# Altium PCB Main_Board.PcbDoc (part 19 of 19)
Units mil, origin at the board's own origin, x right, y up, seen from the top; angles counter-clockwise.
Board outline 5306 x 6610 mil, 12 copper layers ((L1) Top, (L2) Inner 1, (L3) Inner 2, (L4) Inner 3, (L5) Inner 4, (L6) Inner 5, (L7) Inner 6, (L8) Inner 7, (L9) Inner 8, (L10) Inner 9, (L11) Inner 10, (L12) Bottom), stack 94.81 mil thick; 347 components, 571 nets, 2611 pads, 4053 vias.
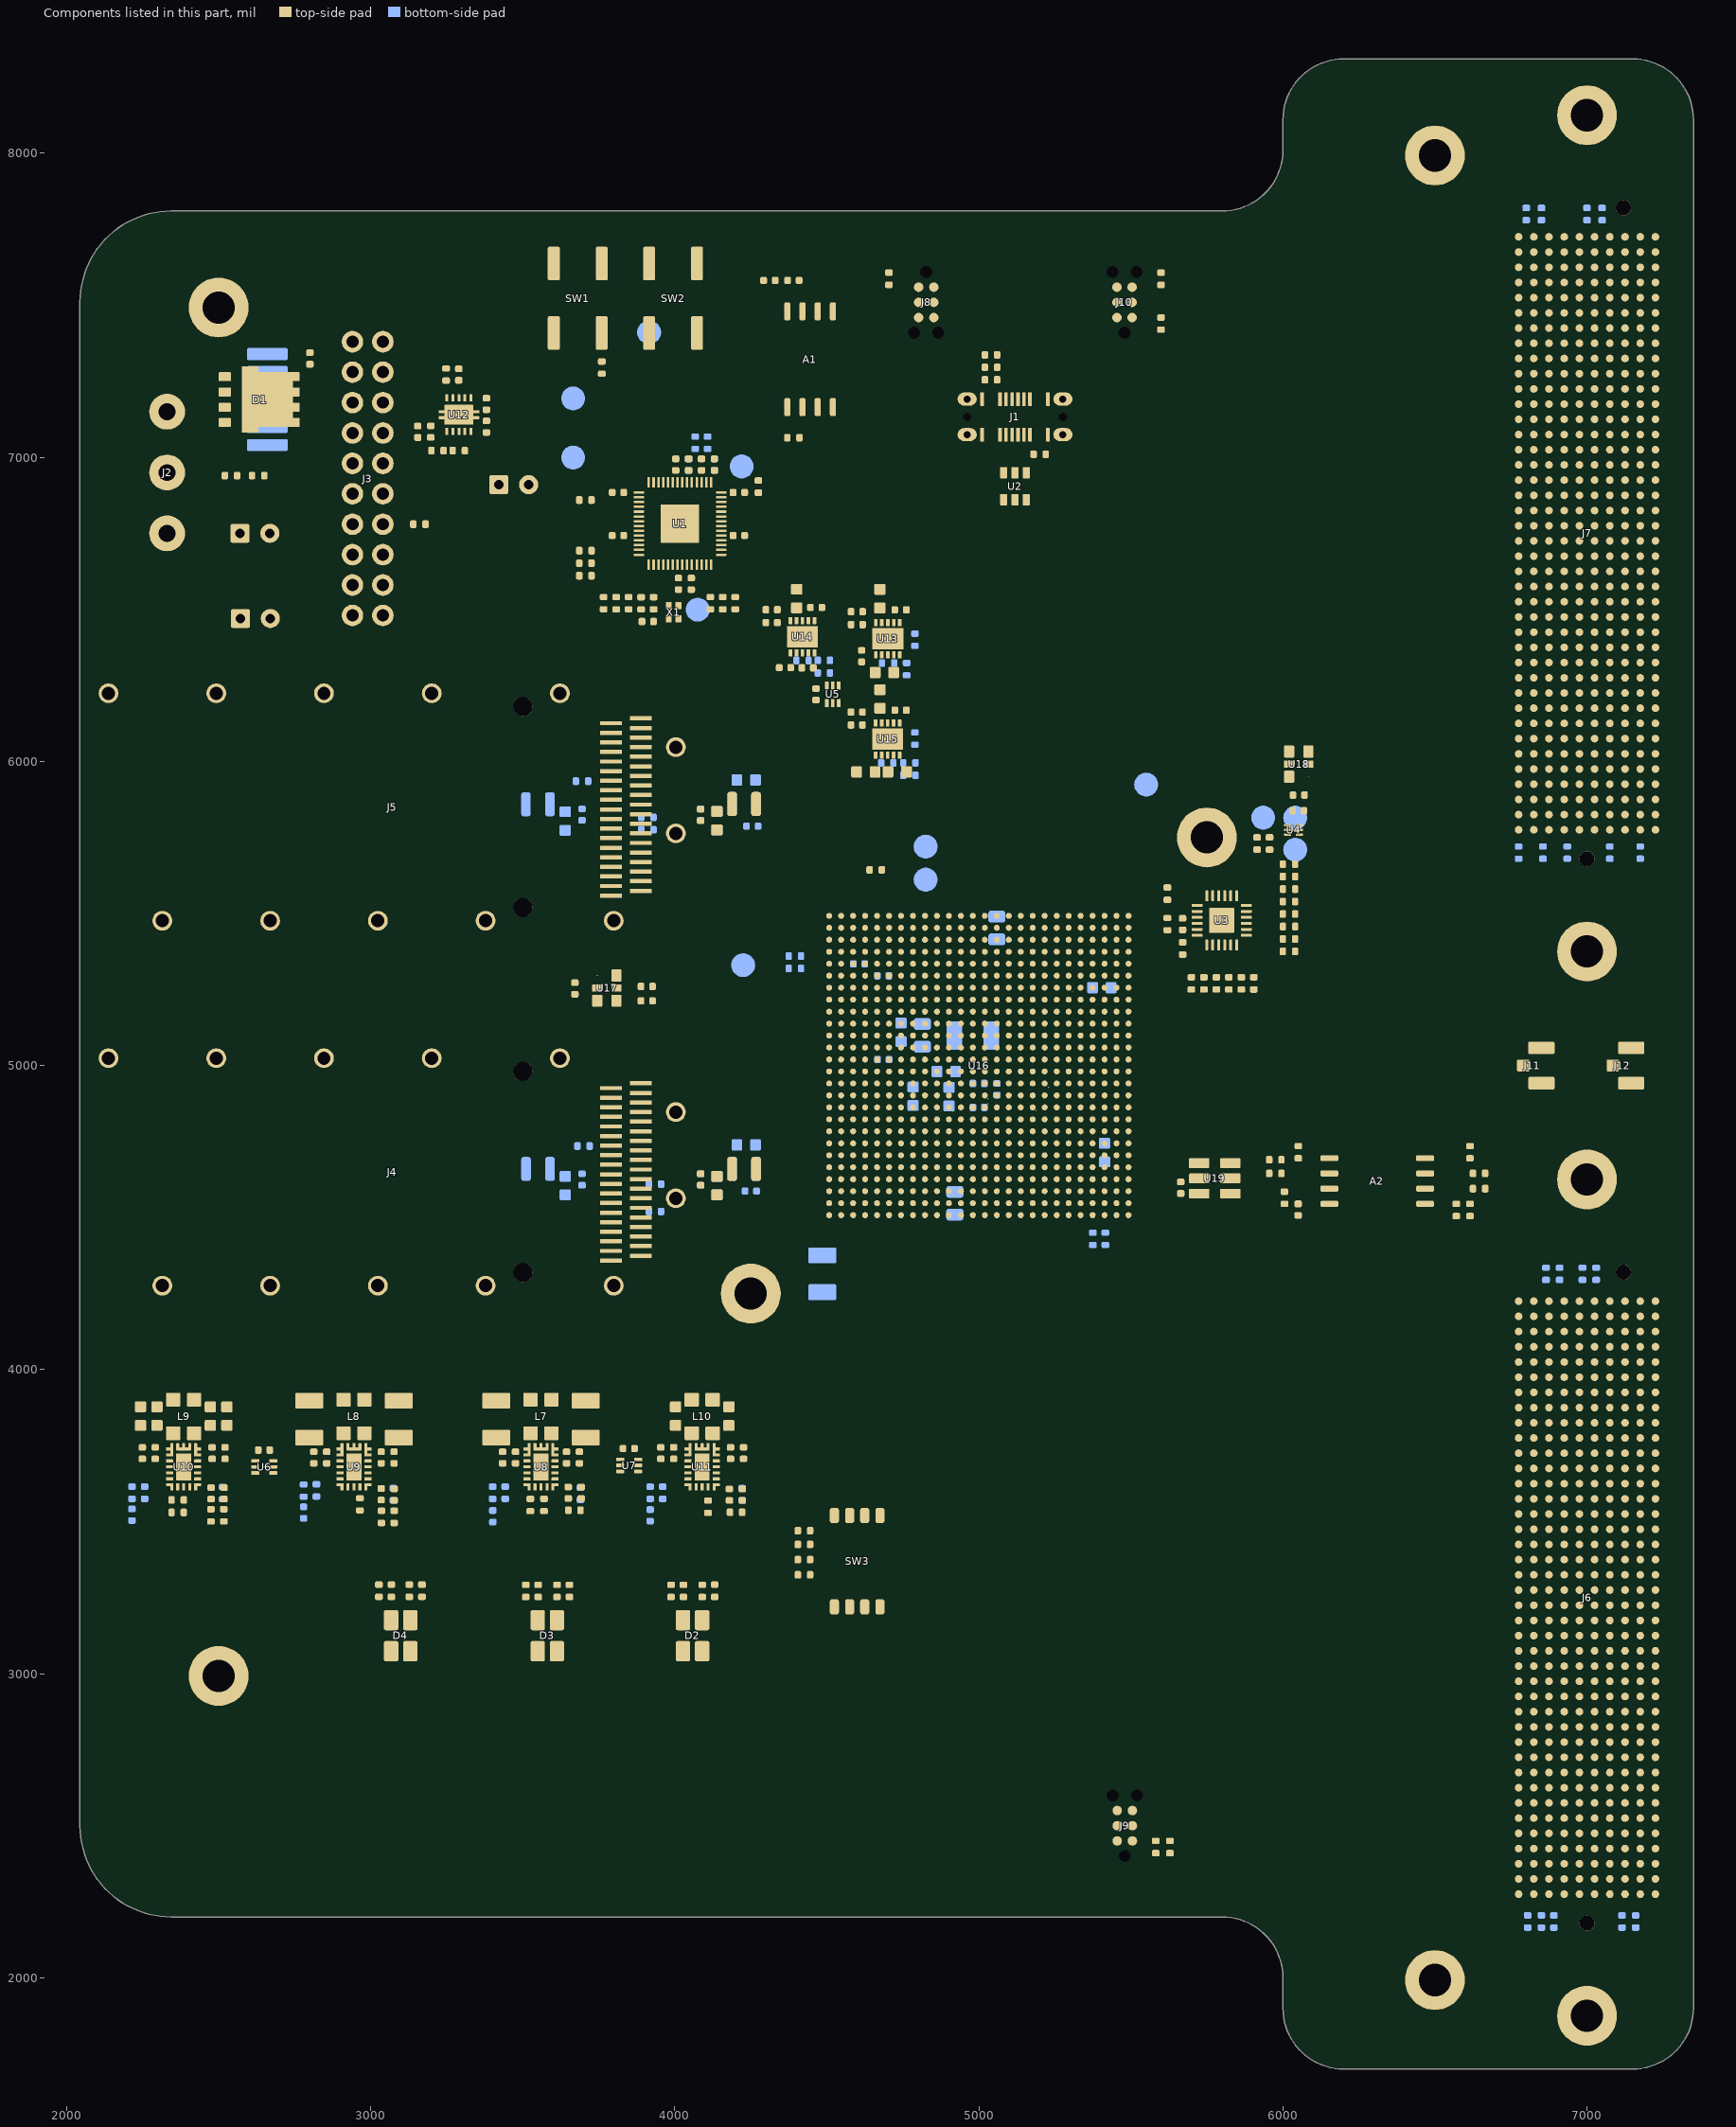
[diagram p29: the components of this part, seen from the top]

## Keep-outs
(L1) Top:
  circle w1: c7000,4625 r125
  circle w1: c4250,4250 r125
  circle w1: c6500,7992.5 r125
  circle w1: c2500,7492.5 r125
  circle w1: c2500,2992.5 r125
  circle w1: c6500,1992.5 r125
  circle w1: c5750,5750 r125
  circle w1: c7000,1885 r125
  circle w1: c7000,8125 r125
  circle w1: c7000,5375 r125
  region: 2505,3855 2505,3720 ccw(c2510,3720) 2510,3715 2550,3715 ccw(c2550,3720) 2555,3720 2555,3855 ccw(c2551.11,3855) 2551.11,3858.89 2508.89,3858.89 ccw(c2508.89,3855)
  region: 2265,3855 2265,3720 cw(c2260,3720) 2260,3715 2220,3715 cw(c2220,3720) 2215,3720 2215,3855 cw(c2218.89,3855) 2218.89,3858.89 2261.11,3858.89 cw(c2261.11,3855)
  region: 4226.73,3839.13 4209.47,3847.76 ccw(c4200,3828.83) 4200,3850 ccw(c4200,3845) 4195,3845 4195,3715 ccw(c4203.62,3715) 4203.62,3706.38 4246.38,3706.38 ccw(c4246.38,3715) 4255,3715 4255,3733.22 ccw(c4122.57,3733.22) 4250.81,3766.25 4234.61,3829.18 ccw(c4220.04,3825.75)
  region: 3953.27,3839.13 3970.53,3847.76 cw(c3980,3828.83) 3980,3850 cw(c3980,3845) 3985,3845 3985,3715 cw(c3976.38,3715) 3976.38,3706.38 3933.62,3706.38 cw(c3933.62,3715) 3925,3715 3925,3733.22 cw(c4057.43,3733.22) 3929.19,3766.25 3945.39,3829.18 cw(c3959.96,3825.75)
  region: 4547.24,5452.76 4547.24,4547.24 5452.76,4547.24 5452.76,5452.76 4586.61,5452.76 4586.61,5413.39 5413.39,5413.39 5413.39,4586.61 4586.61,4586.61 4586.61,5452.76
(L2) Inner 1:
  region: 2110,2600 2110,2520 ccw(c2130,2520) 2130,2500 2310,2500 ccw(c2310,2520) 2330,2520 2330,2600 ccw(c2310,2600) 2310,2620 2130,2620 ccw(c2130,2600)
  region: 3754.72,4900.98 3825.59,4900.98 3825.59,4887.2 3754.72,4887.2
  region: 3754.72,4869.49 3825.59,4869.49 3825.59,4855.71 3754.72,4855.71
  region: 3853.15,4916.73 3924.02,4916.73 3924.02,4902.95 3853.15,4902.95
  region: 3853.15,4885.24 3924.02,4885.24 3924.02,4871.46 3853.15,4871.46
  region: 3754.72,4806.5 3825.59,4806.5 3825.59,4792.72 3754.72,4792.72
  region: 3853.15,4822.24 3924.02,4822.24 3924.02,4808.46 3853.15,4808.46
  region: 3853.15,4790.75 3924.02,4790.75 3924.02,4776.97 3853.15,4776.97
  region: 3754.72,4775 3825.59,4775 3825.59,4761.22 3754.72,4761.22
  region: 3853.15,4538.78 3924.02,4538.78 3924.02,4525 3853.15,4525
  region: 3853.15,4507.28 3924.02,4507.28 3924.02,4493.5 3853.15,4493.5
  region: 3754.72,4523.03 3825.59,4523.03 3825.59,4509.25 3754.72,4509.25
  region: 3754.72,4491.54 3825.59,4491.54 3825.59,4477.76 3754.72,4477.76
  region: 3754.72,4428.54 3825.59,4428.54 3825.59,4414.76 3754.72,4414.76
  region: 3754.72,4397.05 3825.59,4397.05 3825.59,4383.27 3754.72,4383.27
  region: 3853.15,4412.8 3924.02,4412.8 3924.02,4399.02 3853.15,4399.02
  region: 3853.15,4444.29 3924.02,4444.29 3924.02,4430.51 3853.15,4430.51
  region: 3754.72,5597.05 3825.59,5597.05 3825.59,5583.27 3754.72,5583.27
  region: 3754.72,5628.54 3825.59,5628.54 3825.59,5614.76 3754.72,5614.76
  region: 3853.15,5644.29 3924.02,5644.29 3924.02,5630.51 3853.15,5630.51
  region: 3853.15,5612.8 3924.02,5612.8 3924.02,5599.02 3853.15,5599.02
  region: 3754.72,5691.54 3825.59,5691.54 3825.59,5677.76 3754.72,5677.76
  region: 3754.72,5723.03 3825.59,5723.03 3825.59,5709.25 3754.72,5709.25
  region: 3853.15,5738.78 3924.02,5738.78 3924.02,5725 3853.15,5725
  region: 3853.15,5707.28 3924.02,5707.28 3924.02,5693.5 3853.15,5693.5
  region: 3754.72,5975 3825.59,5975 3825.59,5961.22 3754.72,5961.22
  region: 3754.72,6006.5 3825.59,6006.5 3825.59,5992.72 3754.72,5992.72
  region: 3853.15,5990.75 3924.02,5990.75 3924.02,5976.97 3853.15,5976.97
  region: 3853.15,6022.24 3924.02,6022.24 3924.02,6008.46 3853.15,6008.46
  region: 3754.72,6069.49 3825.59,6069.49 3825.59,6055.71 3754.72,6055.71
  region: 3754.72,6100.98 3825.59,6100.98 3825.59,6087.2 3754.72,6087.2
  region: 3853.15,6116.73 3924.02,6116.73 3924.02,6102.95 3853.15,6102.95
  region: 3853.15,6085.24 3924.02,6085.24 3924.02,6071.46 3853.15,6071.46
(L3) Inner 2:
  region: 2110,2600 2110,2520 ccw(c2130,2520) 2130,2500 2310,2500 ccw(c2310,2520) 2330,2520 2330,2600 ccw(c2310,2600) 2310,2620 2130,2620 ccw(c2130,2600)
  region: 3853.15,6085.24 3924.02,6085.24 3924.02,6071.46 3853.15,6071.46
  region: 3853.15,6116.73 3924.02,6116.73 3924.02,6102.95 3853.15,6102.95
  region: 3754.72,6100.98 3825.59,6100.98 3825.59,6087.2 3754.72,6087.2
  region: 3754.72,5975 3825.59,5975 3825.59,5961.22 3754.72,5961.22
  region: 3853.15,5612.8 3924.02,5612.8 3924.02,5599.02 3853.15,5599.02
  region: 3853.15,5644.29 3924.02,5644.29 3924.02,5630.51 3853.15,5630.51
  region: 3754.72,5628.54 3825.59,5628.54 3825.59,5614.76 3754.72,5614.76
  region: 3754.72,5597.05 3825.59,5597.05 3825.59,5583.27 3754.72,5583.27
  region: 3754.72,6069.49 3825.59,6069.49 3825.59,6055.71 3754.72,6055.71
  region: 3853.15,6022.24 3924.02,6022.24 3924.02,6008.46 3853.15,6008.46
  region: 3853.15,5990.75 3924.02,5990.75 3924.02,5976.97 3853.15,5976.97
  region: 3754.72,6006.5 3825.59,6006.5 3825.59,5992.72 3754.72,5992.72
  region: 3853.15,5707.28 3924.02,5707.28 3924.02,5693.5 3853.15,5693.5
  region: 3853.15,5738.78 3924.02,5738.78 3924.02,5725 3853.15,5725
  region: 3754.72,5723.03 3825.59,5723.03 3825.59,5709.25 3754.72,5709.25
  region: 3754.72,5691.54 3825.59,5691.54 3825.59,5677.76 3754.72,5677.76
  region: 3853.15,4444.29 3924.02,4444.29 3924.02,4430.51 3853.15,4430.51
  region: 3853.15,4412.8 3924.02,4412.8 3924.02,4399.02 3853.15,4399.02
  region: 3754.72,4428.54 3825.59,4428.54 3825.59,4414.76 3754.72,4414.76
  region: 3754.72,4491.54 3825.59,4491.54 3825.59,4477.76 3754.72,4477.76
  region: 3754.72,4523.03 3825.59,4523.03 3825.59,4509.25 3754.72,4509.25
  region: 3853.15,4507.28 3924.02,4507.28 3924.02,4493.5 3853.15,4493.5
  region: 3853.15,4538.78 3924.02,4538.78 3924.02,4525 3853.15,4525
  region: 3754.72,4397.05 3825.59,4397.05 3825.59,4383.27 3754.72,4383.27
  region: 3754.72,4775 3825.59,4775 3825.59,4761.22 3754.72,4761.22
  region: 3853.15,4790.75 3924.02,4790.75 3924.02,4776.97 3853.15,4776.97
  region: 3853.15,4822.24 3924.02,4822.24 3924.02,4808.46 3853.15,4808.46
  region: 3754.72,4806.5 3825.59,4806.5 3825.59,4792.72 3754.72,4792.72
  region: 3853.15,4885.24 3924.02,4885.24 3924.02,4871.46 3853.15,4871.46
  region: 3754.72,4869.49 3825.59,4869.49 3825.59,4855.71 3754.72,4855.71
  region: 3754.72,4900.98 3825.59,4900.98 3825.59,4887.2 3754.72,4887.2
  region: 3853.15,4916.73 3924.02,4916.73 3924.02,4902.95 3853.15,4902.95
(L4) Inner 3:
  region: 2110,2600 2110,2520 ccw(c2130,2520) 2130,2500 2310,2500 ccw(c2310,2520) 2330,2520 2330,2600 ccw(c2310,2600) 2310,2620 2130,2620 ccw(c2130,2600)
(L5) Inner 4:
  region: 2110,2600 2110,2520 ccw(c2130,2520) 2130,2500 2310,2500 ccw(c2310,2520) 2330,2520 2330,2600 ccw(c2310,2600) 2310,2620 2130,2620 ccw(c2130,2600)
(L6) Inner 5:
  region: 2110,2600 2110,2520 ccw(c2130,2520) 2130,2500 2310,2500 ccw(c2310,2520) 2330,2520 2330,2600 ccw(c2310,2600) 2310,2620 2130,2620 ccw(c2130,2600)
(L7) Inner 6:
  region: 2110,2600 2110,2520 ccw(c2130,2520) 2130,2500 2310,2500 ccw(c2310,2520) 2330,2520 2330,2600 ccw(c2310,2600) 2310,2620 2130,2620 ccw(c2130,2600)
(L8) Inner 7:
  region: 2110,2600 2110,2520 ccw(c2130,2520) 2130,2500 2310,2500 ccw(c2310,2520) 2330,2520 2330,2600 ccw(c2310,2600) 2310,2620 2130,2620 ccw(c2130,2600)
(L9) Inner 8:
  region: 2110,2600 2110,2520 ccw(c2130,2520) 2130,2500 2310,2500 ccw(c2310,2520) 2330,2520 2330,2600 ccw(c2310,2600) 2310,2620 2130,2620 ccw(c2130,2600)
(L10) Inner 9:
  region: 2110,2600 2110,2520 ccw(c2130,2520) 2130,2500 2310,2500 ccw(c2310,2520) 2330,2520 2330,2600 ccw(c2310,2600) 2310,2620 2130,2620 ccw(c2130,2600)
(L11) Inner 10:
  region: 2110,2600 2110,2520 ccw(c2130,2520) 2130,2500 2310,2500 ccw(c2310,2520) 2330,2520 2330,2600 ccw(c2310,2600) 2310,2620 2130,2620 ccw(c2130,2600)
(L12) Bottom:
  circle w1: c6500,7992.5 r125
  circle w1: c2500,7492.5 r125
  circle w1: c2500,2992.5 r125
  circle w1: c6500,1992.5 r125
  circle w1: c4250,4250 r125
  circle w1: c5750,5750 r125
  circle w1: c7000,1885 r125
  circle w1: c7000,8125 r125
  circle w1: c7000,4625 r125
  circle w1: c7000,5375 r125
Keep-Out Layer:
  region: 5135.12,6883 5105.12,6883 5098.62,6898 5105.12,6913 5135.12,6913 5141.62,6898
  region: 5135.12,7217 5105.12,7217 5098.62,7232 5105.12,7247 5135.12,7247 5141.62,7232
  region: 5148,7121.35 5148,7151.35 5163,7157.85 5178,7151.35 5178,7121.35 5163,7114.85
  region: 4360.07,5661.2 4360.07,5691.2 4375.07,5697.7 4390.07,5691.2 4390.07,5661.2 4375.07,5654.7
  region: 4077,4850 4107,4850 4113.5,4835 4107,4820 4077,4820 4070.5,4835
  region: 4135,6047.5 4135,6077.5 4150,6084 4165,6077.5 4165,6047.5 4150,6041
  region: 3691.21,6063.4 3691.21,6093.4 3706.21,6099.9 3721.21,6093.4 3721.21,6063.4 3706.21,6056.9
  region: 3691,5685.5 3691,5715.5 3706,5722 3721,5715.5 3721,5685.5 3706,5679
  region: 3984.33,5221.89 3984.33,5251.89 3999.33,5258.39 4014.33,5251.89 4014.33,5221.89 3999.33,5215.39
  region: 4194.99,4887.69 4194.99,4917.69 4209.99,4924.19 4224.99,4917.69 4224.99,4887.69 4209.99,4881.19
  region: 3682,4863.5 3682,4893.5 3697,4900 3712,4893.5 3712,4863.5 3697,4857
  region: 4030,4472.5 4030,4502.5 4045,4509 4060,4502.5 4060,4472.5 4045,4466
  region: 3661.17,4485.79 3661.17,4515.79 3676.17,4522.29 3691.17,4515.79 3691.17,4485.79 3676.17,4479.29
  lines w10: 3666.17,4485.79 ccw(c3676.17,4485.79) 3686.17,4485.79 ; 3666.17,4515.79 cw(c3676.17,4515.79) 3686.17,4515.79 ; 3687,4863.5 ccw(c3697,4863.5) 3707,4863.5 ; 3687,4893.5 cw(c3697,4893.5) 3707,4893.5 ; 3696,5685.5 ccw(c3706,5685.5) 3716,5685.5 ; 3696,5715.5 cw(c3706,5715.5) 3716,5715.5 ; 3696.21,6063.4 ccw(c3706.21,6063.4) 3716.21,6063.4 ; 3696.21,6093.4 cw(c3706.21,6093.4) 3716.21,6093.4 ; 3989.33,5221.89 ccw(c3999.33,5221.89) 4009.33,5221.89 ; 3989.33,5251.89 cw(c3999.33,5251.89) 4009.33,5251.89 ; 4035,4472.5 ccw(c4045,4472.5) 4055,4472.5 ; 4035,4502.5 cw(c4045,4502.5) 4055,4502.5 ; 4077,4825 cw(c4077,4835) 4077,4845 ; 4107,4825 ccw(c4107,4835) 4107,4845 ; 4140,6047.5 ccw(c4150,6047.5) 4160,6047.5 ; 4140,6077.5 cw(c4150,6077.5) 4160,6077.5 ; 4199.99,4887.69 ccw(c4209.99,4887.69) 4219.99,4887.69 ; 4199.99,4917.69 cw(c4209.99,4917.69) 4219.99,4917.69 ; 4365.07,5661.2 ccw(c4375.07,5661.2) 4385.07,5661.2 ; 4365.07,5691.2 cw(c4375.07,5691.2) 4385.07,5691.2 ; 5105.12,6888 cw(c5105.12,6898) 5105.12,6908 ; 5105.12,7222 cw(c5105.12,7232) 5105.12,7242 ; 5135.12,6888 ccw(c5135.12,6898) 5135.12,6908 ; 5135.12,7222 ccw(c5135.12,7232) 5135.12,7242 ; 5153,7121.35 ccw(c5163,7121.35) 5173,7121.35 ; 5153,7151.35 cw(c5163,7151.35) 5173,7151.35

## Other copper
(L1) Top:
  region net GND: 4015,3819 4022,3819 cw(c4028,3819) 4028,3825 4152,3825 cw(c4152,3819) 4158,3819 4165,3819 4165,3835 4015,3835
  region net GND: 2310,3819 2317,3819 cw(c2323,3819) 2323,3825 2447,3825 cw(c2447,3819) 2453,3819 2460,3819 2460,3835 2310,3835
  region net 2V5: 2220.22,3854.78 2220.22,3914.89 cw(c2229.22,3914.89) 2229.22,3923.89 2539.22,3923.89 cw(c2539.22,3913.89) 2549.22,3913.89 2549.22,3854.22 cw(c2540,3854.22) 2540,3845 2230,3845 cw(c2230,3854.78)
  region net GND: 2227.78,3834.89 2311.78,3834.89 cw(c2311.78,3828.89) 2317.78,3828.89 2317.78,3766.89 ccw(c2324.78,3766.89) 2324.78,3759.89 2349.78,3759.89 cw(c2349.78,3756.89) 2352.78,3756.89 2352.78,3729.89 ccw(c2358.41,3729.89) 2358.41,3724.26 2382.78,3724.26 2382.78,3712.27 2321.4,3712.27 cw(c2321.4,3717.89) 2315.78,3717.89 2315.78,3720.89 ccw(c2306.78,3720.89) 2306.78,3729.89 2227.78,3729.89 cw(c2227.78,3735.89) 2221.78,3735.89 2221.78,3828.89 cw(c2227.78,3828.89)
  region net 3V3: 3975.78,3854.22 3975.78,3916.16 cw(c3983.51,3916.16) 3983.51,3923.89 4196.51,3923.89 cw(c4196.51,3916.18) 4204.22,3916.18 4204.22,3854.22 cw(c4194.99,3854.22) 4194.99,3844.99 3984.99,3845.01 cw(c3984.99,3854.22)
  region net 2V5: 4445.49,6453.33 4394.49,6453.33 4394.49,6481.33 ccw(c4388.49,6481.33) 4388.49,6487.33 4380.49,6487.33 cw(c4380.49,6492.33) 4375.49,6492.33 4375.49,6535.33 cw(c4380.49,6535.33) 4380.49,6540.33 4455.49,6540.33 cw(c4455.49,6535.33) 4460.49,6535.33 4460.49,6492.33 cw(c4456.49,6492.33) 4456.49,6488.33 4452.49,6488.33 ccw(c4452.48,6481.33) 4445.49,6481.33
  region net 5V0: 2351.78,3695.89 2351.78,3703.22 ccw(c2350,3703.22) 2350,3705 2315.64,3705 cw(c2315.64,3712.86) 2307.78,3712.86 ccw(c2302.7,3712.86) 2302.75,3717.94 2227.67,3718.72 ccw(c2227.54,3706.95) 2215.78,3706.95 2215.78,3683.89 ccw(c2228.78,3683.89) 2228.78,3670.89 2269.22,3670.89 ccw(c2269.22,3714.9) 2292.45,3677.52 2304.33,3684.91 cw(c2335.79,3634.31) 2335.79,3693.89 2349.78,3693.89 ccw(c2349.78,3695.89)
  region net 1V2_GTX: 4705.49,6029.48 4705.49,6011.58 ccw(c4730.03,6011.58) 4709.68,5997.86 4716.24,5988.12 cw(c4704.63,5980.3) 4718.63,5980.3 4718.63,5939.57 cw(c4712.63,5939.57) 4712.63,5933.57 4646.63,5933.57 cw(c4646.63,5939.57) 4640.63,5939.57 4640.63,6019.85 cw(c4649.51,6020.59) 4648.78,6029.48
  region net 1V8: 4725.49,6116.48 4674.49,6116.48 4674.49,6144.48 ccw(c4668.49,6144.48) 4668.49,6150.48 4660.49,6150.48 cw(c4660.49,6155.48) 4655.49,6155.48 4655.49,6198.48 cw(c4660.49,6198.48) 4660.49,6203.48 4735.49,6203.48 cw(c4735.49,6198.48) 4740.49,6198.48 4740.49,6155.48 cw(c4736.49,6155.48) 4736.49,6151.48 4732.49,6151.48 ccw(c4732.48,6144.48) 4725.49,6144.48
  region net 3V3: 6054,5867 6054,5871.56 ccw(c6034.09,5871.56) 6052.07,5880.11 6042.35,5900.58 cw(c6082.95,5919.87) 6038,5919.87 6038,5965 ccw(c6033,5965) 6033,5970 6008,5970 ccw(c6008,5965) 6003,5965 6003,5867 ccw(c6008,5867) 6008,5862 6049,5862 ccw(c6049,5867)
  region net 3V3: 5640,4588 5640,4560 ccw(c5645,4560) 5645,4555 5683.19,4555 ccw(c5683.19,4578.18) 5695.73,4558.68 5724.82,4577.38 5724.82,4594.72 5646.72,4594.72 ccw(c5646.72,4588)
  region net 3V3AUX: 4325,7600 4375,7600 cw(c4375,7590) 4385,7590 4385,7455 cw(c4375,7455) 4375,7445 4365,7445 cw(c4365,7455) 4355,7455 4355,7496.85 ccw(c4307.26,7496.85) 4342.94,7528.57 4325.97,7547.66 cw(c4358.42,7576.51) 4315,7576.51 4315,7590 cw(c4325,7590)
  region net 5V0: 2418.22,3695.89 2418.22,3703.22 cw(c2420,3703.22) 2420,3705 2454.36,3705 ccw(c2454.36,3712.86) 2462.22,3712.86 cw(c2467.3,3712.86) 2467.25,3717.94 2542.33,3718.72 cw(c2542.45,3706.95) 2554.22,3706.95 2554.22,3683.89 cw(c2541.22,3683.89) 2541.22,3670.89 2500.78,3670.89 cw(c2500.78,3714.89) 2477.55,3677.52 2465.67,3684.91 ccw(c2434.21,3634.33) 2434.21,3693.89 2420.22,3693.89 cw(c2420.22,3695.89)
  region net GND: 2542.22,3834.89 2458.22,3834.89 ccw(c2458.22,3828.89) 2452.22,3828.89 2452.22,3766.89 cw(c2445.22,3766.89) 2445.22,3759.89 2420.22,3759.89 ccw(c2420.22,3756.89) 2417.22,3756.89 2417.22,3729.89 cw(c2411.59,3729.89) 2411.59,3724.26 2387.22,3724.26 2387.22,3712.27 2448.6,3712.27 ccw(c2448.6,3717.89) 2454.22,3717.89 2454.22,3720.89 cw(c2463.22,3720.89) 2463.22,3729.89 2542.22,3729.89 ccw(c2542.22,3735.89) 2548.22,3735.89 2548.22,3828.89 ccw(c2542.22,3828.89)
  region net NetL9_1: 2411,3734.89 2411,3762.89 cw(c2415,3762.89) 2415,3766.89 2440,3766.89 ccw(c2440,3769.89) 2443,3769.89 2443,3810.89 ccw(c2440,3810.89) 2440,3813.89 2330,3813.89 ccw(c2330,3810.89) 2327,3810.89 2327,3769.89 ccw(c2330,3769.89) 2330,3766.89 2355,3766.89 cw(c2355,3762.89) 2359,3762.89 2359,3734.89
  region net GND: 2757,3803.89 2847,3803.89 cw(c2847,3793.89) 2857,3793.89 2857,3768.89 ccw(c2867,3768.89) 2867,3758.89 2907,3758.89 cw(c2907,3753.89) 2912,3753.89 2912,3728.89 ccw(c2917,3728.89) 2917,3723.89 2942,3723.89 2942,3712.89 2813,3712.89 cw(c2812.25,3724.63) 2800.51,3723.89 2800.51,3738.89 ccw(c2790.51,3738.89) 2790.51,3748.89 2757,3748.89 cw(c2756.99,3753.88) 2752,3753.89 2752,3798.89 cw(c2757,3798.89)
  region net NetL8_1: 2971,3734.89 2971,3762.89 cw(c2975,3762.89) 2975,3766.89 3000,3766.89 ccw(c3000,3769.89) 3003,3769.89 3003,3810.89 ccw(c3000,3810.89) 3000,3813.89 2890,3813.89 ccw(c2890,3810.89) 2887,3810.89 2887,3769.89 ccw(c2890,3769.89) 2890,3766.89 2915,3766.89 cw(c2915,3762.89) 2919,3762.89 2919,3734.89
  region net 1V8: 3133,3813.89 3043,3813.89 cw(c3043,3823.89) 3033,3823.89 ccw(c3023,3823.89) 3023,3833.89 2868,3833.89 ccw(c2868,3823.89) 2858,3823.89 cw(c2848,3823.89) 2848,3813.89 2758,3813.89 cw(c2758,3823.89) 2748,3823.89 2748,3913.89 cw(c2758,3913.89) 2758,3923.89 3133,3923.89 cw(c3133,3913.89) 3143,3913.89 3143,3823.89 cw(c3133,3823.89)
  region net GND: 3133,3803.89 3043,3803.89 ccw(c3043,3793.89) 3033,3793.89 3033,3768.89 cw(c3023,3768.89) 3023,3758.89 2983,3758.89 ccw(c2983,3753.89) 2978,3753.89 2978,3728.89 cw(c2973,3728.89) 2973,3723.89 2948,3723.89 2948,3712.89 3077,3712.89 ccw(c3077.75,3724.63) 3089.49,3723.89 3089.49,3738.89 cw(c3099.49,3738.89) 3099.49,3748.89 3133,3748.89 ccw(c3133.01,3753.88) 3138,3753.89 3138,3798.89 ccw(c3133,3798.89)
  region net 5V0: 2981,3693.89 2999.71,3693.89 cw(c2999.71,3677.12) 3011.97,3688.56 3016.5,3683.72 ccw(c3027.6,3694.08) 3027.6,3678.89 3051.69,3678.89 cw(c3051.69,3639.69) 3072.57,3672.86 3084.24,3665.52 ccw(c3096.81,3685.49) 3096.81,3661.89 3111.5,3661.89 ccw(c3111.51,3680.28) 3125.51,3668.36 3139.11,3684.32 ccw(c3126.71,3694.89) 3143,3694.89 ccw(c3133,3694.89) 3133,3704.89 2981,3704.89 ccw(c2981,3702.89) 2979,3702.89 2979,3695.89 ccw(c2981,3695.89)
  region net 5V0: 2909,3693.89 2890.29,3693.89 ccw(c2890.29,3677.12) 2878.03,3688.56 2873.5,3683.72 cw(c2862.4,3694.08) 2862.4,3678.89 2838.31,3678.89 ccw(c2838.31,3639.69) 2817.43,3672.86 2805.76,3665.52 cw(c2793.19,3685.49) 2793.19,3661.89 2778.5,3661.89 cw(c2778.49,3680.28) 2764.49,3668.36 2750.89,3684.32 cw(c2763.29,3694.89) 2747,3694.89 cw(c2757,3694.89) 2757,3704.89 2909,3704.89 cw(c2909,3702.89) 2911,3702.89 2911,3695.89 cw(c2909,3695.89)
  region net NetL8_1: 2971,3734.89 2971,3762.89 cw(c2975,3762.89) 2975,3766.89 3000,3766.89 ccw(c3000,3769.89) 3003,3769.89 3003,3810.89 ccw(c3000,3810.89) 3000,3813.89 2890,3813.89 ccw(c2890,3810.89) 2887,3810.89 2887,3769.89 ccw(c2890,3769.89) 2890,3766.89 2915,3766.89 cw(c2915,3762.89) 2919,3762.89 2919,3734.89
  region net 5V0: 3524,3693.89 3505.29,3693.89 ccw(c3505.29,3677.12) 3493.03,3688.56 3488.5,3683.72 cw(c3477.4,3694.08) 3477.4,3678.89 3453.31,3678.89 ccw(c3453.31,3639.69) 3432.43,3672.86 3420.76,3665.52 cw(c3408.19,3685.49) 3408.19,3661.89 3393.5,3661.89 cw(c3393.49,3680.28) 3379.49,3668.36 3365.89,3684.32 cw(c3378.29,3694.89) 3362,3694.89 cw(c3372,3694.89) 3372,3704.89 3524,3704.89 cw(c3524,3702.89) 3526,3702.89 3526,3695.89 cw(c3524,3695.89)
  region net 5V0: 3596,3693.89 3614.71,3693.89 cw(c3614.71,3677.12) 3626.97,3688.56 3631.5,3683.72 ccw(c3642.6,3694.08) 3642.6,3678.89 3666.69,3678.89 cw(c3666.69,3639.69) 3687.57,3672.86 3699.24,3665.52 ccw(c3711.81,3685.49) 3711.81,3661.89 3726.5,3661.89 ccw(c3726.51,3680.28) 3740.51,3668.36 3754.11,3684.32 ccw(c3741.71,3694.89) 3758,3694.89 ccw(c3748,3694.89) 3748,3704.89 3596,3704.89 ccw(c3596,3702.89) 3594,3702.89 3594,3695.89 ccw(c3596,3695.89)
  region net GND: 3372,3803.89 3462,3803.89 cw(c3462,3793.89) 3472,3793.89 3472,3768.89 ccw(c3482,3768.89) 3482,3758.89 3522,3758.89 cw(c3522,3753.89) 3527,3753.89 3527,3728.89 ccw(c3532,3728.89) 3532,3723.89 3557,3723.89 3557,3712.89 3428,3712.89 cw(c3428,3723.89) 3417,3723.89 3417,3738.89 ccw(c3407,3738.89) 3407,3748.89 3372,3748.89 cw(c3372,3753.89) 3367,3753.89 3367,3798.89 cw(c3372,3798.89)
  region net GND: 3748,3803.89 3658,3803.89 ccw(c3658,3793.89) 3648,3793.89 3648,3768.89 cw(c3638,3768.89) 3638,3758.89 3598,3758.89 ccw(c3598,3753.89) 3593,3753.89 3593,3728.89 cw(c3588,3728.89) 3588,3723.89 3563,3723.89 3563,3712.89 3692,3712.89 ccw(c3692,3723.89) 3703,3723.89 3703,3738.89 cw(c3713,3738.89) 3713,3748.89 3748,3748.89 ccw(c3748,3753.89) 3753,3753.89 3753,3798.89 ccw(c3748,3798.89)
  region net 1V0: 3748,3813.89 3658,3813.89 cw(c3658,3823.89) 3648,3823.89 ccw(c3638,3823.89) 3638,3833.89 3483,3833.89 ccw(c3483,3823.89) 3473,3823.89 cw(c3463,3823.89) 3463,3813.89 3373,3813.89 cw(c3373,3823.89) 3363,3823.89 3363,3913.89 cw(c3373,3913.89) 3373,3923.89 3748,3923.89 cw(c3748,3913.89) 3758,3913.89 3758,3823.89 cw(c3748,3823.89)
  region net NetL7_1: 3586,3734.89 3586,3762.89 cw(c3590,3762.89) 3590,3766.89 3615,3766.89 ccw(c3615,3769.89) 3618,3769.89 3618,3810.89 ccw(c3615,3810.89) 3615,3813.89 3505,3813.89 ccw(c3505,3810.89) 3502,3810.89 3502,3769.89 ccw(c3505,3769.89) 3505,3766.89 3530,3766.89 cw(c3530,3762.89) 3534,3762.89 3534,3734.89
  region net 3V3: 6555,4520 6630,4520 cw(c6630,4515) 6635,4515 6635,4495 cw(c6630,4495) 6630,4490 6555,4490 cw(c6555,4495) 6550,4495 6550,4515 cw(c6555,4515)
  region net 3V3: 6000,4560 6180,4560 cw(c6180,4550) 6190,4550 6190,4540 cw(c6180,4540) 6180,4530 6000,4530 cw(c6000,4540) 5990,4540 5990,4550 cw(c6000,4550)
  region net 3V3: 3662.18,5286.79 3726.16,5314.21 cw(c3734.87,5293.9) 3734.87,5316 3821,5316 cw(c3821,5312) 3825,5312 3825,5280 cw(c3821,5280) 3821,5276 3744.32,5276 ccw(c3744.32,5193.9) 3718.36,5271.79 3694.69,5263.9 cw(c3670.68,5335.95) 3670.68,5260 3663,5260 cw(c3663,5265) 3658,5265 3658,5280.45 cw(c3664.9,5280.45)
  region net GND: 2580,7400 2730,7400 cw(c2730,7390) 2740,7390 2740,7330 cw(c2730,7330) 2730,7320 2580,7320 cw(c2580,7330) 2570,7330 2570,7390 cw(c2580,7390)
  region net GND: 2580,7060 2730,7060 cw(c2730,7050) 2740,7050 2740,6990 cw(c2730,6990) 2730,6980 2580,6980 cw(c2580,6990) 2570,6990 2570,7050 cw(c2580,7050)
  region net GND: 2630,6420 2630,6800 cw(c2645,6800) 2645,6815 2715,6815 cw(c2715,6800) 2730,6800 2730,6420 cw(c2715,6420) 2715,6405 2645,6405 cw(c2645,6420)
  region net 5V0_UNPROT: 2260,7300 2530,7300 cw(c2530,7280) 2550,7280 2550,7090 cw(c2530,7090) 2530,7070 2260,7070 cw(c2260,7090) 2240,7090 2240,7280 cw(c2260,7280)
  region net 3V3AUX: 3303,7096 3303,7076.96 ccw(c3332.8,7076.96) 3311.27,7056.36 3357.59,7007.96 cw(c3325.3,6977.06) 3370,6977.05 3370,6881 ccw(c3382,6881) 3382,6869 3458,6869 ccw(c3458,6881) 3470,6881 3470,6992.01 ccw(c3421.48,6992.01) 3452.2,7029.56 3429.71,7047.96 ccw(c3396,7006.76) 3395.99,7060 3378.7,7060 cw(c3378.7,7084.81) 3363.21,7065.44 3352.49,7074 cw(c3364.97,7089.6) 3345,7089.6 3345,7095 ccw(c3340,7095) 3340,7100 3307,7100 ccw(c3307,7096)
  region net 1V0_GTX: 4706.45,6359.48 4706.45,6335.97 cw(c4695.25,6335.97) 4703.34,6328.23 4689.28,6313.53 ccw(c4701.85,6301.5) 4684.45,6301.49 4684.45,6275.48 cw(c4677.45,6275.48) 4677.45,6268.48 4618.92,6268.48 cw(c4618.92,6283.8) 4605.21,6276.95 4595.13,6297.11 cw(c4643.27,6321.18) 4589.45,6321.19 4589.45,6337.48 cw(c4595.45,6337.48) 4595.45,6343.48 4623.92,6343.48 ccw(c4623.92,6362.37) 4636.91,6348.66 4644.61,6355.95 cw(c4653.47,6346.6) 4653.47,6359.48
  region net 1V8: 4726.12,6446.48 4675.12,6446.48 4675.12,6474.48 ccw(c4669.12,6474.48) 4669.12,6480.48 4661.12,6480.48 cw(c4661.12,6485.48) 4656.12,6485.48 4656.12,6528.48 cw(c4661.12,6528.48) 4661.12,6533.48 4736.12,6533.48 cw(c4736.12,6528.48) 4741.12,6528.48 4741.12,6485.48 cw(c4737.12,6485.48) 4737.12,6481.48 4733.12,6481.48 ccw(c4733.11,6474.48) 4726.12,6474.48
  region net 1V8_GTX: 4425.49,6366.33 4425.49,6340.93 ccw(c4453.07,6340.93) 4429.8,6326.12 cw(c4409.9,6313.46) 4433.49,6313.46 4433.49,6271.33 cw(c4427.49,6271.33) 4427.49,6265.33 4371.49,6265.33 cw(c4371.49,6271.33) 4365.49,6271.33 4365.49,6360.33 cw(c4371.48,6360.33) 4371.49,6366.33
  region net 5V0: 4056.78,3695.89 4056.78,3703.22 ccw(c4055,3703.22) 4055,3705 4020.64,3705 cw(c4020.64,3712.86) 4012.78,3712.86 ccw(c4007.7,3712.86) 4007.75,3717.94 3945.54,3717.94 ccw(c3945.54,3708.89) 3936.49,3708.89 3936.49,3681.89 ccw(c3947.49,3681.89) 3947.49,3670.89 3974.22,3670.89 ccw(c3974.23,3714.87) 3997.45,3677.52 4009.33,3684.91 cw(c4040.79,3634.3) 4040.79,3693.89 4054.78,3693.89 ccw(c4054.78,3695.89)
  region net GND: 3970.25,3834.89 4016.78,3834.89 cw(c4016.78,3828.89) 4022.78,3828.89 4022.78,3766.89 ccw(c4029.78,3766.89) 4029.78,3759.89 4054.78,3759.89 cw(c4054.78,3756.89) 4057.78,3756.89 4057.78,3729.89 ccw(c4063.41,3729.89) 4063.41,3724.26 4087.78,3724.26 4087.78,3712.27 4026.4,3712.27 cw(c4026.4,3717.89) 4020.78,3717.89 4020.78,3720.89 ccw(c4011.78,3720.89) 4011.78,3729.89 3948.89,3729.89 cw(c3948.88,3742.76) 3936.33,3745.6 3953.46,3821.47 cw(c3970.25,3817.68)
  region net NetL10_1: 4116,3734.89 4116,3762.89 cw(c4120,3762.89) 4120,3766.89 4145,3766.89 ccw(c4145,3769.89) 4148,3769.89 4148,3810.89 ccw(c4145,3810.89) 4145,3813.89 4035,3813.89 ccw(c4035,3810.89) 4032,3810.89 4032,3769.89 ccw(c4035,3769.89) 4035,3766.89 4060,3766.89 cw(c4060,3762.89) 4064,3762.89 4064,3734.89
  region net GND: 4209.75,3834.89 4163.22,3834.89 ccw(c4163.22,3828.89) 4157.22,3828.89 4157.22,3766.89 cw(c4150.22,3766.89) 4150.22,3759.89 4125.22,3759.89 ccw(c4125.22,3756.89) 4122.22,3756.89 4122.22,3729.89 cw(c4116.59,3729.89) 4116.59,3724.26 4092.22,3724.26 4092.22,3712.27 4153.6,3712.27 ccw(c4153.6,3717.89) 4159.22,3717.89 4159.22,3720.89 cw(c4168.22,3720.89) 4168.22,3729.89 4231.11,3729.89 ccw(c4231.12,3742.76) 4243.67,3745.6 4226.54,3821.47 ccw(c4209.75,3817.68)
  region net 5V0: 4123.22,3695.89 4123.22,3703.22 cw(c4125,3703.22) 4125,3705 4160,3705 ccw(c4160,3712.22) 4167.22,3712.22 4167.22,3712.86 cw(c4172.3,3712.86) 4172.25,3717.94 4234.46,3717.94 cw(c4234.46,3708.89) 4243.51,3708.89 4243.51,3681.89 cw(c4232.51,3681.89) 4232.51,3670.89 4205.78,3670.89 cw(c4205.77,3714.87) 4182.55,3677.52 4170.67,3684.91 ccw(c4139.21,3634.31) 4139.21,3693.89 4125.22,3693.89 cw(c4125.22,3695.88)
  region net NetL10_1: 4116,3734.89 4116,3762.89 cw(c4120,3762.89) 4120,3766.89 4145,3766.89 ccw(c4145,3769.89) 4148,3769.89 4148,3810.89 ccw(c4145,3810.89) 4145,3813.89 4035,3813.89 ccw(c4035,3810.89) 4032,3810.89 4032,3769.89 ccw(c4035,3769.89) 4035,3766.89 4060,3766.89 cw(c4060,3762.89) 4064,3762.89 4064,3734.89
  region net QSFP_B_VCCA1: 3853.15,5896.26 3872.29,5896.26 ccw(c3872.29,6504.15) 3950.22,5901.28 cw(c4008.05,5453.99) 4008.07,5905 4189,5905 cw(c4189,5884) 4210,5884 4210,5830 cw(c4190,5830) 4190,5810 4121.25,5810 cw(c4121.25,5825.47) 4107.92,5817.62 ccw(c4095,5810) 4095,5825 4066.93,5825 cw(c4066.93,5920.78) 4009.46,5844.16 4003.52,5848.61 ccw(c3895.27,5736.97) 3986.67,5862.78 ccw(c3942.7,5802.26) 3955.63,5875.94 ccw(c3927.35,5714.86) 3942.78,5877.68 3912.61,5880.54 ccw(c3871.57,5447.75) 3871.53,5882.48 3853.15,5882.48
  region net QSFP_A_VCCA1: 3853.15,4696.26 3872.29,4696.26 ccw(c3872.29,5304.16) 3950.22,4701.28 cw(c4008.06,4253.86) 4008.07,4705 4189,4705 cw(c4189,4684) 4210,4684 4210,4630 cw(c4190,4630) 4190,4610 4121.25,4610 cw(c4121.25,4625.47) 4107.92,4617.62 ccw(c4095,4610) 4095,4625 4066.93,4625 cw(c4066.93,4720.78) 4009.46,4644.16 4003.52,4648.61 ccw(c3909.83,4523.7) 3931.27,4678.36 ccw(c3871.55,4247.49) 3871.53,4682.48 3853.15,4682.48
  region net QSFP_B_VCCTX: 3843.76,5864.76 3959.24,5864.76 cw(c3959.24,5860) 3964,5860 3964,5856 cw(c3958.98,5856) 3958.98,5850.98 3844.02,5850.98 cw(c3844.01,5856) 3839,5856 3839,5860 cw(c3843.76,5860)
(L2) Inner 1:
  text "JHT" at 2140,2530 h60
(L3) Inner 2:
  region net 5V0_UNPROT: 2260,7300 2530,7300 cw(c2530,7280) 2550,7280 2550,7090 cw(c2530,7090) 2530,7070 2260,7070 cw(c2260,7090) 2240,7090 2240,7280 cw(c2260,7280)
  text "JHT" at 2140,2530 h60
(L4) Inner 3:
  text "JHT" at 2140,2530 h60
(L5) Inner 4:
  region net 5V0_UNPROT: 2260,7300 2530,7300 cw(c2530,7280) 2550,7280 2550,7090 cw(c2530,7090) 2530,7070 2260,7070 cw(c2260,7090) 2240,7090 2240,7280 cw(c2260,7280)
  region net 5V0_UNPROT: 2260,7300 2530,7300 cw(c2530,7280) 2550,7280 2550,7090 cw(c2530,7090) 2530,7070 2260,7070 cw(c2260,7090) 2240,7090 2240,7280 cw(c2260,7280)
  text "JHT" at 2140,2530 h60
(L6) Inner 5:
  region net 3V3AUX: 3740,3523 3760,3523 cw(c3760,3503) 3780,3503 3780,3463 cw(c3760,3463) 3760,3443 3740,3443 cw(c3740,3463) 3720,3463 3720,3503 cw(c3740,3503)
  region net 3V3AUX: 2520,3340 2640,3340 cw(c2640,3300) 2680,3300 2680,3180 cw(c2640,3180) 2640,3140 2520,3140 cw(c2520,3180) 2480,3180 2480,3300 cw(c2520,3300)
  region net 5V0_UNPROT: 2260,7300 2530,7300 cw(c2530,7280) 2550,7280 2550,7090 cw(c2530,7090) 2530,7070 2260,7070 cw(c2260,7090) 2240,7090 2240,7280 cw(c2260,7280)
  text "JHT" at 2140,2530 h60
(L7) Inner 6:
  text "JHT" at 2140,2530 h60
(L8) Inner 7:
  region net 5V0_UNPROT: 2260,7300 2530,7300 cw(c2530,7280) 2550,7280 2550,7090 cw(c2530,7090) 2530,7070 2260,7070 cw(c2260,7090) 2240,7090 2240,7280 cw(c2260,7280)
  text "JHT" at 2140,2530 h60
(L9) Inner 8:
  text "JHT" at 2140,2530 h60
(L10) Inner 9:
  text "JHT" at 2140,2530 h60
(L11) Inner 10:
  text "JHT" at 2140,2530 h60
(L12) Bottom:
  region net 1V0_GTX: 4693,5296 4693,5254 ccw(c4699,5254) 4699,5248 4709,5248 ccw(c4709,5254) 4715,5254 4715,5296 ccw(c4711,5296) 4711,5300 4697,5300 ccw(c4697,5296)
  region net 1V2_GTX: 4576,5332 4576,5375 cw(c4585,5375) 4585,5384 4590,5384 cw(c4590,5376) 4598,5376 4598,5332 cw(c4593,5332) 4593,5327 4581,5327 cw(c4581,5332)
  region net 3V3: 4365.17,5377.02 4385.17,5377.02 cw(c4385.17,5372.02) 4390.17,5372.02 4390.17,5307.02 cw(c4385.17,5307.02) 4385.17,5302.02 4365.17,5302.02 cw(c4365.17,5307.02) 4360.17,5307.02 4360.17,5372.02 cw(c4365.16,5372.02)
  region net 5V0_UNPROT: 2260,7300 2530,7300 cw(c2530,7280) 2550,7280 2550,7090 cw(c2530,7090) 2530,7070 2260,7070 cw(c2260,7090) 2240,7090 2240,7280 cw(c2260,7280)
  region net 1V0: 4410,4275 4410,4215 ccw(c4420,4215) 4420,4205 4525,4205 ccw(c4525,4215) 4535,4215 4535,4275 ccw(c4525,4275) 4525,4285 4420,4285 ccw(c4420,4275)
  region net 3V3: 4290,5775 4290,5955 ccw(c4285,5955) 4285,5960 4245,5960 ccw(c4245,5955) 4240,5955 4240,5837.07 ccw(c4269.14,5837.07) 4248.54,5816.46 cw(c4220.86,5788.79) 4260,5788.79 4260,5775 ccw(c4265,5775) 4265,5770 4285,5770 ccw(c4285,5775)
  region net 3V3: 4285,4575 4285,4755 ccw(c4280,4755) 4280,4760 4245,4760 ccw(c4245,4755) 4240,4755 4240,4632.07 ccw(c4269.14,4632.07) 4248.54,4611.46 cw(c4232.93,4595.86) 4255,4595.86 4255,4575 ccw(c4260,4575) 4260,4570 4280,4570 ccw(c4280,4575)
  region net 5V0: 2590,7300 2730,7300 cw(c2730,7285) 2745,7285 2745,7095 cw(c2730,7095) 2730,7080 2590,7080 cw(c2590,7095) 2575,7095 2575,7285 cw(c2590,7285)
  region net QSFP_B_VCCRX: 3821.24,5835.24 3771.85,5835.24 ccw(c3771.84,5751.41) 3738.97,5828.52 cw(c3721.72,5868.99) 3721.72,5825 3680,5825 ccw(c3680,5815.01) 3671.38,5820.08 cw(c3662.5,5825.31) 3662.5,5815 3585,5815 cw(c3585,5835) 3565,5835 3565,5885 cw(c3585,5885) 3585,5905 3628.73,5905 cw(c3628.73,5780.45) 3695.6,5885.53 3720,5870 3723.02,5868.18 ccw(c3791.77,5981.95) 3791.77,5849.02 3820.98,5849.02 cw(c3820.99,5844.41) 3825.59,5844.41 3825.59,5839.59 cw(c3821.24,5839.59)
  region net QSFP_B_VCCTX: 3843.57,5864.77 3900.57,5864.77 ccw(c3900.57,6279.55) 3980.67,5872.58 4078.76,5891.88 cw(c4161.99,5469.02) 4162.04,5900 4197,5900 cw(c4197,5882) 4215,5882 4215,5834 cw(c4196,5834) 4196,5815 4116.25,5815 cw(c4116.25,5823.2) 4108.93,5819.51 ccw(c4100.01,5815.01) 4100,5825 4050.08,5825 cw(c4050.08,5990.96) 4001.04,5832.41 3967.01,5842.94 ccw(c3913.83,5671.11) 3913.78,5850.98 3843,5850.98 cw(c3844.75,5856.57) 3839.12,5855 3839.12,5861 cw(c3845,5858.56)
  region net QSFP_A_VCCRX: 3821.24,4635.24 3771.85,4635.24 ccw(c3771.84,4551.41) 3738.97,4628.52 cw(c3721.72,4668.99) 3721.72,4625 3680,4625 ccw(c3680,4615.01) 3671.38,4620.08 cw(c3662.5,4625.31) 3662.5,4615 3585,4615 cw(c3585,4635) 3565,4635 3565,4685 cw(c3585,4685) 3585,4705 3628.73,4705 cw(c3628.73,4580.45) 3695.6,4685.53 3720,4670 3723.02,4668.18 ccw(c3791.77,4781.95) 3791.77,4649.02 3820.98,4649.02 cw(c3820.99,4644.41) 3825.59,4644.41 3825.59,4639.59 cw(c3821.24,4639.59)
  region net QSFP_A_VCCTX: 3857.77,4664.77 3900.57,4664.77 ccw(c3900.57,5079.55) 3980.67,4672.58 4078.76,4691.88 cw(c4162.04,4268.75) 4162.04,4700 4197,4700 cw(c4197,4682) 4215,4682 4215,4634 cw(c4196,4634) 4196,4615 4116.25,4615 cw(c4116.25,4623.2) 4108.93,4619.51 ccw(c4100,4615) 4100,4625 4050.08,4625 cw(c4050.08,4790.96) 4001.04,4632.41 3967.01,4642.94 ccw(c3913.79,4470.96) 3913.78,4650.98 3858.02,4650.98 cw(c3858.01,4655.85) 3853.15,4655.85 3853.15,4660.15 cw(c3857.77,4660.15)

## Silkscreen, mask and mechanical layers (free items; w line width, h text height)
Top Overlay:
  circle w15: c6210,1830 r7
  circle w15: c6160,7870 r7
  region: 6200,1862 6200,1918 cw(c6202,1918) 6202,1920 6218,1920 cw(c6218,1918) 6220,1918 6220,1862 cw(c6218,1862) 6218,1860 6202,1860 cw(c6202,1862)
  region: 6150,7902 6150,7958 cw(c6152,7958) 6152,7960 6168,7960 cw(c6168,7958) 6170,7958 6170,7902 cw(c6168,7902) 6168,7900 6152,7900 cw(c6152,7902)
  lines w6.02: 2490,3680 2500,3670 2540,3670 ; 2534.2,3765.6 2549.2,3785.6 ; 2550,2630 4600,2630 ; 2880,2840 3100,3020 ; 2930,5090 2940,5080 ; 2930,5410 2940,5420 ; 2940,5150 2940,5080 ; 2940,5350 2940,5420 ; 2950,5090 2940,5080 ; 2950,5410 2940,5420 ; 3220,2270 3220,2720 ; 3575,6460 3735,6515 ; 3580,2840 3580,3020 ; 3720,3710 3810,3770 3810,3840 ; 3850,6450 3870,6470 ; 3940,2270 3940,2720 ; 4060,3020 4280,2840 ; 4450,3110 4450,3125 4525,3175 4525,3185 ; 4550,3110 4550,3125 4575,3175 4575,3185 ; 4625,3185 4625,3175 4650,3125 4650,3110 ; 4632,6235 4642,6235 ; 4675,3185 4675,3175 4750,3125 4750,3110 ; 4740,3370 4810,3370 5160,3020 5160,2970 ; 4748,6290 4758.25,6290 ; 4835,2815 5490,2815 ; 5090,2675 5090,2885 ; 5600,5350 5600,5395 5625,5420 ; 5680,5345 5690,5335 5725,5335 ; 5690,5220 5910,5220 ; 6070,5380 6070,5660 ; 6380,2100 6720,2100 6740,2120 ; 6440,8130 6690,8130 6740,8080 6740,7850 ; 4600,2630 4600,2270 2550,2270 2550,2720 4600,2720 4600,2630 ; 4835,2675 4835,2885 5490,2885 5490,2675 4835,2675
  lines w7.87: 6739,2118 6739,2223 ; 6739,4247 6739,4347 ; 6740,5624 6740,5617 6789,5617 ; 6740,5921 6740,5976 ; 6740,6123 6740,6177 ; 6740,6223 6740,6326 ; 7051,5617 7082,5617
  lines w10: 6060,7835 6160,8035 6260,7835 6060,7835 ; 6110,1795 6210,1995 6310,1795 6110,1795
  text "NOT COMPATIBLE" at 6114.34,8180.32 h39.37
  text "WITH FMC" at 6114.34,8110.32 h39.37
  text "HPCC-B" at 6773.41,7910.01 h80
  text "REV" at 2690,7610.01 h60
  text "A" at 2910,7610.01 h60
  text "FPGA" at 4905,7590.01 h60
  text "HPCC-B" at 5645,7590.01 h60
  text "JTAG" at 4905,7490.01 h60
  text "JTAG" at 5645,7490.01 h60
  text "BOOT" at 3519.99,7410.04 h60 r90
  text "RESET" at 4219.99,7390 h60 r90
  text "PMIC" at 4785.03,6940.01 h60
  text "PROG" at 4780.04,6840.01 h60
  text "*" at 4106.88,6210.32 h39.37
  text "Octo-Optical Data" at 2210,5890.01 h60
  text "Aggregation System" at 2210,5800.01 h60
  text "*" at 4096.88,5700.32 h39.37
  text "B" at 2920.01,5270.01 h60
  text "QSFP+" at 2560,5220.01 h60
  text "R40-53" at 5955,5183.35 h39.37 r45
  text "A" at 2920.01,5170.01 h60
  text "EXT CLK" at 6999.99,4776.71 h40 r90
  text "EXT CONF CLK" at 7289.99,4776.74 h40 r90
  text "Jordan Harris-Toovy" at 2210,4670.01 h60
  text "April 2024" at 2210,4570.01 h60
  text "M1" at 4579.99,3010.03 h60 r90
  text "M0" at 4479.99,2990.03 h60 r90
  text "M2" at 4679.99,2990.03 h60 r90
  text "INIT OFF STOPS BOOT" at 4835.91,2905.32 h39.37
  text "INIT" at 4779.99,2890.06 h60 r90
  text "M[2:0]" at 4850.91,2830.32 h39.37
  text "BOOT MODE" at 5130.91,2830.32 h39.37
  text "(001)" at 4850.91,2760.32 h39.37
  text "MSTR SPI" at 5130.91,2760.32 h39.37
  text "uC STAT" at 2700.06,2750.01 h60
  text "FPGA IMG" at 3355.07,2750.01 h60
  text "PWR STAT" at 4070.07,2750.01 h60
  text "(101)" at 4850.91,2690.32 h39.37
  text "JTAG" at 5130.91,2690.32 h39.37
  text "ORANGE" at 2608.49,2655.32 h39.37
  text "GREEN" at 2948.17,2655.32 h39.37
  text "ORANGE" at 3308.49,2655.32 h39.37
  text "GREEN" at 3648.17,2655.32 h39.37
  text "ORANGE" at 4028.49,2655.32 h39.37
  text "GREEN" at 4368.17,2655.32 h39.37
  text "HPCC-B" at 5030.11,2570.01 h60
  text "BOOT" at 2967.84,2550.32 h39.37
  text "READ" at 3337.84,2550.32 h39.37
  text "READ" at 3667.84,2550.32 h39.37
  text "OVER" at 4067.84,2550.32 h39.37
  text "STAT" at 4377.85,2550.32 h39.37
  text "SOLID" at 2346.99,2540.32 h39.37
  text "BOOTING" at 2592.09,2530.32 h39.37
  text "GOOD" at 2967.84,2480.32 h39.37
  text "FAIL" at 3341.12,2480.32 h39.37
  text "GOOD" at 3667.84,2480.32 h39.37
  text "TEMP" at 4067.84,2480.32 h39.37
  text "GOOD" at 4377.85,2480.32 h39.37
  text "JTAG" at 5150.07,2470.01 h60
  text "BOOT" at 2647.84,2390.32 h39.37
  text "CRC" at 3357.52,2390.32 h39.37
  text "PMIC" at 4071.12,2390.32 h39.37
  text "BLINK" at 2346.99,2360.32 h39.37
  text "USB CONN" at 2879.13,2350.32 h39.37
  text "READING" at 3612.09,2350.32 h39.37
  text "STARTUP" at 4308.81,2350.32 h39.37
  text "FAIL" at 2651.12,2320.32 h39.37
  text "ERROR" at 3318.17,2320.32 h39.37
  text "ALARM" at 4048.17,2320.32 h39.37
  text "NOT COMPATIBLE" at 6064.34,2150.32 h39.37
  text "WITH FMC" at 6064.34,2080.32 h39.37
  text "HPCC-A" at 6763.41,2010.01 h80
Bottom Overlay:
  drawing of 140 lines, arcs and shapes, not listed
  text "FPGA RUN" at 3844.09,7390.32 h39.37
  text "Mounting (mm)" at 6238,7250.01 h60
  text "3V3 AUX" at 3594.09,7170.32 h39.37
  text "12.7" at 6285.6,7130.32 h39.37
  text "16.07" at 5955.27,7100.32 h39.37
  text "12.7" at 5605.6,7050.32 h39.37
  text "GND" at 3594.09,6980.32 h39.37
  text "SWD-DIO" at 4541.73,6950.32 h39.37
  text "69.85" at 6328.55,6940.32 h39.37
  text "114.3" at 5541.99,6790.32 h39.37
  text "19.05" at 6425.27,6770.32 h39.37
  text "M2.5 GND" at 5904.09,6735.91 h39.37
  text "28.38" at 6328.55,6565.32 h39.37
  text "SWD-CLK" at 4408.29,6480.32 h39.37
  text "25.4" at 5938.88,6480.32 h39.37
  text "101.6" at 5891.99,6380.32 h39.37
  text "B14-D09" at 5484.09,5910.32 h39.37
  text "EXT SCL" at 5910.32,5885.91 h39.37 r270
  text "EXT SDA" at 6020.32,5885.91 h39.37 r270
  text "B14-D14" at 5145.17,5700.32 h39.37
  text "GND" at 5974.09,5690.32 h39.37
  text "B14-D08" at 5151.73,5590.32 h39.37
  text "FPGA RESET" at 4154.09,5310.32 h39.37
  text "Heatsink (mm)" at 5343,3940.56 h60
  text "38.1" at 5052.32,3840.32 h39.37
  text "M2.5 GND" at 5604.09,3741.46 h39.37
  text "38.1" at 4777.32,3590.32 h39.37
  text "27" at 5247.8,3590.32 h39.37
  text "27" at 5022.8,3365.32 h39.37
  text "Jordan Harris-Toovy" at 6648,2986.99 h60
  text "Capstone Project 2024" at 6648,2836.99 h60
  text "Octo-Optical Data" at 6643,2626.99 h60
  text "Aggregation System" at 6643,2476.99 h60
Bottom Solder:
  drawing of 16 lines, arcs and shapes, not listed
Board Outline:
  the board outline again, w6

## Text inside footprints (layer, text, board x,y; h text height)
J4: Mechanical 13 "PCB EDGE" at 2059.06,4193.31 h32 r270
J5: Mechanical 13 "PCB EDGE" at 2059.06,5393.31 h32 r270